# Allegro board gps_interface_boardv51ph.brd

Outline 304.8 x 152.4 mm; copper layers: TOP, 2116 HR PREGPREG 1, 2116 HR PREGPREG 2, 2116 HR PREGPREG 3, GND1, FR4 CORE 0.3 35/35 1, SIG, 2116 HR PREGPREG 4, 2116 HR PREGPREG 5, 2116 HR PREGPREG 6, GND2, FR4 CORE 0.3 35/35 2, PWR1, 2116 HR PREGPREG 7, 2116 HR PREGPREG 8, 2116 HR PREGPREG 9, PWR2, FR4 CORE 0.3 35/35 3, GND3, 2116 HR PREGPREG 10, 2116 HR PREGPREG 11, 2116 HR PREGPREG 12, BOTTOM. Coordinates in mm from the lower left corner of the outline.
Outline path: 0,152.4 304.8,152.4 304.8,0 0,0 0,152.4

## Design rules (mm)
constraint set DEFAULT: min track width 0.17, pair gap 0.3
net group ACLK_TO_CDR: nets ACLK_TO_CDR_N ACLK_TO_CDR_P
net group CLK_FDBACK: nets CLK_FDBACK_N CLK_FDBACK_P
net group CLK_FDBACK_OUT: nets N91101 N91105
net group CLK_FROM_FPGA: nets CLK_FROM_FPGA_N CLK_FROM_FPGA_P
net group CLK_SCOPE_CAP: nets N180853 N180901
net group CLK_SCOPE_OUT: nets N179430 N179442
net group CLK_TO_SFP.CLK_TO_SFP0: nets CLK_TO_SFP.CLK_TO_SFP_N0 CLK_TO_SFP.CLK_TO_SFP_P0
net group CLK_TO_SFP.CLK_TO_SFP1: nets CLK_TO_SFP.CLK_TO_SFP_N1 CLK_TO_SFP.CLK_TO_SFP_P1
net group CLK_TO_SFP.CLK_TO_SFP2: nets CLK_TO_SFP.CLK_TO_SFP_N2 CLK_TO_SFP.CLK_TO_SFP_P2
net group CLK_TO_SFP.CLK_TO_SFP3: nets CLK_TO_SFP.CLK_TO_SFP_N3 CLK_TO_SFP.CLK_TO_SFP_P3
net group CLK_TO_SFP.CLK_TO_SFP4: nets CLK_TO_SFP.CLK_TO_SFP_N4 CLK_TO_SFP.CLK_TO_SFP_P4
net group CLK_TO_SFP.CLK_TO_SFP5: nets CLK_TO_SFP.CLK_TO_SFP_N5 CLK_TO_SFP.CLK_TO_SFP_P5
net group CML_SFP_TD_SFP INTERFACE_SFP1: nets CML_SFP_TD_N_SFP INTERFACE_SFP1 CML_SFP_TD_P_SFP INTERFACE_SFP1
net group CML_SFP_TD_SFP INTERFACE_SFP2: nets CML_SFP_TD_N_SFP INTERFACE_SFP2 CML_SFP_TD_P_SFP INTERFACE_SFP2
net group CML_SFP_TD_SFP INTERFACE_SFP3: nets CML_SFP_TD_N_SFP INTERFACE_SFP3 CML_SFP_TD_P_SFP INTERFACE_SFP3
net group CML_SFP_TD_SFP INTERFACE_SFP4: nets CML_SFP_TD_N_SFP INTERFACE_SFP4 CML_SFP_TD_P_SFP INTERFACE_SFP4
net group CML_SFP_TD_SFP INTERFACE_SFP5: nets CML_SFP_TD_N_SFP INTERFACE_SFP5 CML_SFP_TD_P_SFP INTERFACE_SFP5
net group CML_SFP_TD_SFP INTERFACE_SFP6: nets CML_SFP_TD_N_SFP INTERFACE_SFP6 CML_SFP_TD_P_SFP INTERFACE_SFP6
net group FMC.ACLK_FROM_SFP: nets FMC.ACLK_FROM_SFP_N FMC.ACLK_FROM_SFP_P
net group FMC.ACLK_REFCLK: nets FMC.ACLK_REFCLK_N FMC.ACLK_REFCLK_P
net group FMC.ACLK_TO_SFP: nets FMC.ACLK_TO_SFP_N FMC.ACLK_TO_SFP_P
net group FMC.AUXOUT0: nets FMC.AUXOUT0_N FMC.AUXOUT0_P
net group FMC.AUXOUT1: nets FMC.AUXOUT1_N FMC.AUXOUT1_P
net group FMC.AUXOUT2: nets FMC.AUXOUT2_N FMC.AUXOUT2_P
net group FMC.AUXOUT3: nets FMC.AUXOUT3_N FMC.AUXOUT3_P
net group FMC.CLK_FROM_FPGA: nets FMC.CLK_FROM_FPGA_N FMC.CLK_FROM_FPGA_P
net group FMC.GPS_CLK_COPY: nets FMC.GPS_CLK_COPY_N FMC.GPS_CLK_COPY_P
net group FMC.RECOV_ACLK_CLK: nets FMC.RECOV_ACLK_CLK_N FMC.RECOV_ACLK_CLK_P
net group FMC.RECOV_ACLK_DATA: nets FMC.RECOV_ACLK_DATA_N FMC.RECOV_ACLK_DATA_P
net group GPS_CLK10: nets GPS_CLK10_N GPS_CLK10_P
net group GPS_GROUP[0..1]: nets GPS_GROUP.GPS_CLK_N GPS_GROUP.GPS_CLK_P
net group PPS_OUT: nets PPS_OUT_N PPS_OUT_P
net group R_SFP INTERFACE_SFP1: nets R_N_SFP INTERFACE_SFP1 R_P_SFP INTERFACE_SFP1
net group R_SFP INTERFACE_SFP2: nets R_N_SFP INTERFACE_SFP2 R_P_SFP INTERFACE_SFP2
net group R_SFP INTERFACE_SFP3: nets R_N_SFP INTERFACE_SFP3 R_P_SFP INTERFACE_SFP3
net group R_SFP INTERFACE_SFP4: nets R_N_SFP INTERFACE_SFP4 R_P_SFP INTERFACE_SFP4
net group R_SFP INTERFACE_SFP5: nets R_N_SFP INTERFACE_SFP5 R_P_SFP INTERFACE_SFP5
net group R_SFP INTERFACE_SFP6: nets R_N_SFP INTERFACE_SFP6 R_P_SFP INTERFACE_SFP6
net group RECOV_ACLK_CLK: nets RECOV_ACLK_CLK_N RECOV_ACLK_CLK_P
net group SFP_RD: nets SFP_RD_N SFP_RD_P
net group SFP_RD_OP: nets N717829 N717833
net group SFP_TD_SFP INTERFACE_SFP1: nets SFP_TD_N_SFP INTERFACE_SFP1 SFP_TD_P_SFP INTERFACE_SFP1
net group SFP_TD_SFP INTERFACE_SFP2: nets SFP_TD_N_SFP INTERFACE_SFP2 SFP_TD_P_SFP INTERFACE_SFP2
net group SFP_TD_SFP INTERFACE_SFP3: nets SFP_TD_N_SFP INTERFACE_SFP3 SFP_TD_P_SFP INTERFACE_SFP3
net group SFP_TD_SFP INTERFACE_SFP4: nets SFP_TD_N_SFP INTERFACE_SFP4 SFP_TD_P_SFP INTERFACE_SFP4
net group SFP_TD_SFP INTERFACE_SFP5: nets SFP_TD_N_SFP INTERFACE_SFP5 SFP_TD_P_SFP INTERFACE_SFP5
net group SFP_TD_SFP INTERFACE_SFP6: nets SFP_TD_N_SFP INTERFACE_SFP6 SFP_TD_P_SFP INTERFACE_SFP6
net group SYNC_OUT: nets SYNC_OUT_N SYNC_OUT_P
net group FMC[0..110]: nets FMC.ACLK_SFP_SCL FMC.ACLK_SFP_SDA FMC.ACLK_SFP_TX_DIS FMC.CLK_FILTER_A FMC.CLK_FILTER_B FMC.CLK_GEN_INTR* FMC.CLK_GEN_LOL* FMC.CLK_GEN_RST* FMC.CLK_TO_FPGA_N FMC.CLK_TO_FPGA_P FMC.DATA_TO_FF_N0 FMC.DATA_TO_FF_N1 FMC.DATA_TO_FF_N2 FMC.DATA_TO_FF_N3 FMC.DATA_TO_FF_N4 FMC.DATA_TO_FF_N5 FMC.DATA_TO_FF_P0 FMC.DATA_TO_FF_P1 FMC.DATA_TO_FF_P2 FMC.DATA_TO_FF_P3 FMC.DATA_TO_FF_P4 FMC.DATA_TO_FF_P5 FMC.FPGA_CLK_FILTER_A FMC.FPGA_CLK_FILTER_B FMC.FPGA_CLK_GEN_INTR* FMC.FPGA_CLK_GEN_LOL* FMC.FPGA_CLK_GEN_RST* FMC.FPGA_GPS_CLK_EN* FMC.FPGA_I2C_EXT_INT0* FMC.FPGA_I2C_EXT_INT1* FMC.FPGA_I2C_EXT_RST* FMC.FPGA_I2C_SW_RST* FMC.FPGA_IO_VOLTAGE FMC.GPS_CLK_EN* FMC.GPS_IRIGB FMC.GPS_PPS_N FMC.GPS_PPS_P FMC.GPS_SYNC_OUT_N FMC.GPS_SYNC_OUT_P FMC.I2C_EXT_INT0* FMC.I2C_EXT_INT1* FMC.I2C_EXT_RST* FMC.PG_1V8 FMC.PWR_GOOD FMC.RECOV_DATA_N0 FMC.RECOV_DATA_N1 FMC.RECOV_DATA_N2 FMC.RECOV_DATA_N3 FMC.RECOV_DATA_N4 FMC.RECOV_DATA_N5 FMC.RECOV_DATA_P0 FMC.RECOV_DATA_P1 FMC.RECOV_DATA_P2 FMC.RECOV_DATA_P3 FMC.RECOV_DATA_P4 FMC.RECOV_DATA_P5 FMC.SCL0 FMC.SCL1 FMC.SCL2 FMC.SCL3 FMC.SCL4 FMC.SCL5 FMC.SCL6 FMC.SCL_FPGA FMC.SDA0 FMC.SDA1 FMC.SDA2 FMC.SDA3 FMC.SDA4 FMC.SDA5 FMC.SDA6 FMC.SDA_FPGA FMC.SFP_TX_DISABLE0 FMC.SFP_TX_DISABLE1 FMC.SFP_TX_DISABLE2 FMC.SFP_TX_DISABLE3 FMC.SFP_TX_DISABLE4 FMC.SFP_TX_DISABLE5 FMC.SPARE_BNC_0 FMC.SPARE_BNC_1 FMC.SPARE_LEMO_0 FMC.SPARE_LEMO_1 FMC.SPARE_RJ45_0_N FMC.SPARE_RJ45_0_P FMC.SPARE_RJ45_1_N FMC.SPARE_RJ45_1_P FMC.SPARE_RJ45_LED_0 FMC.SPARE_RJ45_LED_1 FMC.TEMP_INTR*
nets with their own width: min track width 0.165; nets 12V_FUSE A0_1 A0_2 A0_2V5 A0_3V3 A0_5V A0_BID A1_1 A1_2 A1_2V5 A1_5V A1_BID A2_BID BNC_DIR FB_3V3_1 FB_3V3_2 FB_5V FB_5V5 FPGA_3V3 FPGA_12V GND_IN GND_POWER GPS_CLK_IN GPS_IRIGB_IN GPS_PPS_IN GPS_SYNC_IN INTVCC_2V5 INTVCC_3V3 INTVCC_5V MOD_ABS_SFP INTERFACE_SFP1 MOD_ABS_SFP INTERFACE_SFP2 MOD_ABS_SFP INTERFACE_SFP3 MOD_ABS_SFP INTERFACE_SFP4 MOD_ABS_SFP INTERFACE_SFP5 MOD_ABS_SFP INTERFACE_SFP6 N00534 N00638 N01590 N04910_SFP INTERFACE_SFP1 N04910_SFP INTERFACE_SFP2 N04910_SFP INTERFACE_SFP3 N04910_SFP INTERFACE_SFP4 N04910_SFP INTERFACE_SFP5 N04910_SFP INTERFACE_SFP6 N04977_SFP INTERFACE_SFP1 N04977_SFP INTERFACE_SFP2 N04977_SFP INTERFACE_SFP3 N04977_SFP INTERFACE_SFP4 N04977_SFP INTERFACE_SFP5 N04977_SFP INTERFACE_SFP6 N89867 N89871 N89889 N89893 N90109 N90113 N90529 N107878 N127138 N136741_SFP INTERFACE_SFP1 N136741_SFP INTERFACE_SFP2 N136741_SFP INTERFACE_SFP3 N136741_SFP INTERFACE_SFP4 N136741_SFP INTERFACE_SFP5 N136741_SFP INTERFACE_SFP6 N140138 N141568_SFP INTERFACE_SFP1 N141568_SFP INTERFACE_SFP2 N141568_SFP INTERFACE_SFP3 N141568_SFP INTERFACE_SFP4 N141568_SFP INTERFACE_SFP5 N141568_SFP INTERFACE_SFP6 N146225 N185241 N210584_SFP INTERFACE_SFP1 N210584_SFP INTERFACE_SFP2 N210584_SFP INTERFACE_SFP3 N210584_SFP INTERFACE_SFP4 N210584_SFP INTERFACE_SFP5 N210584_SFP INTERFACE_SFP6 N224400 N224404 N224432 N224436 N224464 N224468 N224492 N224496 N245271 N245311 N245859 N245899 N246142 N246182 N266416 N266420 N280018 N280022 N339027 N339674 N339693 N350589 N350593 N351209 N351234 N352210 N352214 PG_2V5 PG_3V3 PG_3V5 PG_5V RS_SFP INTERFACE_SFP1 RS_SFP INTERFACE_SFP2 RS_SFP INTERFACE_SFP3 RS_SFP INTERFACE_SFP4 RS_SFP INTERFACE_SFP5 RS_SFP INTERFACE_SFP6 RT_5V5 SPARE_BNC_CONN_0 SPARE_BNC_CONN_1 SPARE_LEMO_CONN_0 SPARE_LEMO_CONN_1 SPARE_RJ45_CM SS_3V3_1 SS_3V3_2 SS_5V VCC3V3 VCC3V3_LFILT VCC5V VCC5V_LFILT VCCR_SFP INTERFACE_SFP1 VCCR_SFP INTERFACE_SFP2 VCCR_SFP INTERFACE_SFP3 VCCR_SFP INTERFACE_SFP4 VCCR_SFP INTERFACE_SFP5 VCCR_SFP INTERFACE_SFP6 VCCT_SFP INTERFACE_SFP1 VCCT_SFP INTERFACE_SFP2 VCCT_SFP INTERFACE_SFP3 VCCT_SFP INTERFACE_SFP4 VCCT_SFP INTERFACE_SFP5 VCCT_SFP INTERFACE_SFP6 VDD_FILT VDDA_FILT VDDO_FILT VP2V5 VP3V3 VP5V VP5V5 VP12V

## Placement (name value [footprint] x y rotation side)
C1  0.01UF  [CAP0402]  86.49 135.64 180 bottom
C3  0.01UF  [CAP0402]  79.35 137.19 180 bottom
C5  0.1UF  [CAP0603]  62.98 134.24 180 bottom
C6  0.1UF  [CAP0603]  62.96 131.29 180 bottom
C7  10UF  [CAP0603]  88.8 129.84 90 bottom
C8  0.1UF  [CAP0603]  83.24 133.02 270 bottom
C9  10UF  [CAP0603]  87.07 133.32 0 bottom
C10  10UF  [CAP0603]  27.77 137.44 90 bottom
C11  0.1UF  [CAP0603]  45.83 134.59 270 bottom
C12  10UF  [CAP0603]  26.22 133.71 180 bottom
C13  10UF  [CAP0603]  95.71 69.27 0 bottom
C14  0.1UF  [CAP0402]  104.65 77.14 90 top
C15  0.1UF  [CAP0402]  103.48 77.14 90 top
C16  10UF  [CAP0603]  95.68 65 180 bottom
C17  1UF  [CAP0603]  8.76 38.18 270 bottom
C18  0.1UF  [CAP0402]  123.49 82.75 180 top
C19  0.1UF  [CAP0402]  118.52 73.36 90 bottom
C20  0.1UF  [CAP0402]  113 86.46 270 bottom
C21  10UF  [CAP0603]  101.4 90.91 90 top
C22  10UF  [CAP0603]  127.33 78.21 180 bottom
C23  0.1UF  [CAP0402]  118.44 86.46 270 bottom
C24  0.1UF  [CAP0402]  121.31 76.15 180 bottom
C25  0.1UF  [CAP0402]  117.02 73.36 90 bottom
C26  0.1UF  [CAP0402]  121.31 79.65 180 bottom
C27  0.1UF  [CAP0402]  113.51 73.36 90 bottom
C28  0.1UF  [CAP0402]  114.53 86.46 270 bottom
C29  10UF  [CAP0603]  127.3 74.07 0 bottom
C34  0.1UF  [CAP0402]  117.25 86.44 90 top
C35  0.1UF  [CAP0402]  118.36 86.44 90 top
C36  0.1UF  [CAP0402]  112.85 88.06 270 top
C37  0.1UF  [CAP0402]  111.79 88.06 270 top
C38  0.1UF  [CAP0402]  110.72 88.06 270 top
C39  0.1UF  [CAP0402]  109.65 88.06 270 top
C40  10UF  [CAP0805]  30.63 32.08 180 top
C41  1UF  [CAP0603]  30.66 22.58 180 top
C42  1UF  [CAP0603]  12.85 38.86 0 top
C43  0.47UF  [CAP0603]  12.85 50.39 0 top
C44  0.47UF  [CAP0603]  12.83 40.49 0 top
C49  47UF  [CAP0805]  21.29 51.74 180 top
C50  47UF  [CAP0805]  21.34 39.34 180 top
C51  5.0PF  [CAP0603]  3.38 44.09 90 bottom
C52  47UF  [CAP0805]  8.97 65.18 270 top
C53  0.1UF  [CAP0603]  11.56 65.23 270 top
C54  0.1UF  [CAP0603]  14.17 65.2 270 top
C55  47UF  [CAP0805]  16.69 65.23 270 top
C56  0.1UF  [CAP0603]  16.92 69.47 90 top
C57  0.01UF  [CAP0603]  8.69 72.31 90 top
C58  0.1UF  [CAP0603]  25.65 64.85 180 bottom
C59  0.1UF  [CAP0603]  22.61 61.57 270 bottom
C60  0.1UF  [CAP0603]  42.98 78 270 top
C61  47UF  [CAP0805]  40.39 77.95 270 top
C62  0.1UF  [CAP0603]  45.59 77.98 270 top
C63  47UF  [CAP0805]  48.11 78 270 top
C64  0.1UF  [CAP0603]  48.34 82.25 90 top
C65  0.01UF  [CAP0603]  40.11 85.09 90 top
C66  100UF  [CAP1210]  58.62 83.9 270 top
C67  100UF  [CAP1210]  58.62 92.86 90 top
C69  0.1UF  [CAP0603]  58.72 77.6 0 bottom
C70  47UF  [CAP0805]  40.36 92.81 270 top
C71  0.1UF  [CAP0603]  42.95 92.86 270 top
C72  0.1UF  [CAP0603]  45.57 92.84 270 top
C73  47UF  [CAP0805]  48.08 92.86 270 top
C74  0.1UF  [CAP0603]  64.06 77.62 0 bottom
C75  0.1UF  [CAP0603]  48.31 97.1 90 top
C76  0.01UF  [CAP0603]  40.08 99.95 90 top
C77  47UF  [CAP0805]  40.41 59.94 270 top
C78  0.1UF  [CAP0603]  43 59.99 270 top
C79  0.1UF  [CAP0603]  45.62 59.97 270 top
C80  47UF  [CAP0805]  48.13 59.99 270 top
C81  100UF  [CAP1210]  62.41 66.95 90 top
C82  100UF  [CAP1210]  56.52 66.98 90 top
C83  0.1UF  [CAP0603]  48.36 64.24 90 top
C84  0.1UF  [CAP0603]  56.85 58.6 180 bottom
C85  0.01UF  [CAP0603]  40.13 67.08 90 top
C86  0.1UF  [CAP0603]  54.05 56.34 270 bottom
C87  1UF  [CAP0603]  43.99 28.78 0 top
C88  22UF  [CAP1206]  17.5 21.95 270 top
C97  0.1UF  [CAP0805]  126.09 20.65 0 bottom
C98  47UF  [CAP1206]  119.48 17.37 180 bottom
C99  47UF  [CAP1206]  119.48 20.65 180 bottom
C100  0.1UF  [CAP0805]  135.25 8.74 0 top
C101  0.1UF  [CAP0805]  130.25 8.69 180 top
C102  47UF  [CAP1206]  76.89 16.84 180 bottom
C103  47UF  [CAP1206]  76.89 9.27 180 bottom
C104  47UF  [CAP1206]  76.89 12.7 180 bottom
C105  0.1UF  [CAP0805]  128.07 19.35 180 top
C106  47UF  [CAP1206]  127.56 25.83 180 top
C107  47UF  [CAP1206]  127.56 22.33 180 top
C108  0.1UF  [CAP0402]  79.35 15.16 90 top
C109  0.1UF  [CAP0402]  115.72 36.42 180 top
C110  0.1UF  [CAP0402]  103.33 26.82 0 top
C111  0.1UF  [CAP0402]  115.72 27.43 0 top
C112  0.1UF  [CAP0402]  103.38 36.68 180 top
C113  0.1UF  [CAP0402]  98.4 116.33 90 top
C115  0.1UF  [CAP0603]  281.15 27.25 180 top
C116  0.1UF  [CAP0603]  278.26 13.26 90 bottom
C117  0.1UF  [CAP0603]  280.77 13.26 90 bottom
C119  0.1UF  [CAP0603]  288.16 27.33 180 top
C123  0.1UF  [CAP0603]  263.65 18.39 270 bottom
C127  4.7UF  [CAP0402]  238.1 18.47 270 bottom
C128  0.1UF  [CAP0402]  239.67 18.49 270 bottom
C129  0.1UF  [CAP0402]  236.45 18.47 270 bottom
C132  0.1UF  [CAP0603]  292.18 100.66 180 bottom
C133  0.1UF  [CAP0603]  277.88 100.53 0 bottom
C134  22UF  [CAP0805]  277.93 103.25 0 bottom
C135  0.1UF  [CAP0603]  282.93 116.94 0 bottom
C136  0.1UF  [CAP0603]  286.51 116.97 180 bottom
C137  22UF  [CAP0805]  292.05 103.43 180 bottom
C138  0.1UF  [CAP0603]  211.56 89.84 0 top
C139  1000PF  [CAP0603]  211.56 88.37 0 top
C140  0.1UF  [CAP0402]  288.19 84.28 0 top
C141  0.1UF  [CAP0402]  288.19 83.19 0 top
C155  0.1UF  [CAP0603]  255.8 100.63 0 bottom
C156  0.1UF  [CAP0603]  270.1 100.76 180 bottom
C157  22UF  [CAP0805]  255.85 103.35 0 bottom
C158  0.1UF  [CAP0603]  260.86 116.94 0 bottom
C159  0.1UF  [CAP0603]  264.44 116.97 180 bottom
C160  22UF  [CAP0805]  269.98 103.53 180 bottom
C161  0.1UF  [CAP0603]  240.77 89.84 0 top
C162  1000PF  [CAP0603]  240.77 88.37 0 top
C163  0.1UF  [CAP0402]  266.12 84.38 0 top
C164  0.1UF  [CAP0402]  266.12 83.29 0 top
C178  0.1UF  [CAP0603]  233.5 100.63 0 bottom
C179  0.1UF  [CAP0603]  247.8 100.76 180 bottom
C180  22UF  [CAP0805]  233.55 103.35 0 bottom
C181  0.1UF  [CAP0603]  238.56 116.94 0 bottom
C182  0.1UF  [CAP0603]  242.14 116.97 180 bottom
C183  22UF  [CAP0805]  247.68 103.53 180 bottom
C184  0.1UF  [CAP0603]  263.07 89.84 0 top
C185  1000PF  [CAP0603]  263.07 88.37 0 top
C186  0.1UF  [CAP0402]  243.81 84.38 0 top
C187  0.1UF  [CAP0402]  243.81 83.29 0 top
C201  0.1UF  [CAP0603]  218.59 100.76 180 bottom
C202  0.1UF  [CAP0603]  204.29 100.63 0 bottom
C203  22UF  [CAP0805]  204.34 103.35 0 bottom
C204  0.1UF  [CAP0603]  209.35 116.94 0 bottom
C205  0.1UF  [CAP0603]  212.93 116.97 180 bottom
C206  22UF  [CAP0805]  218.47 103.53 180 bottom
C207  0.1UF  [CAP0603]  285.14 89.74 0 top
C208  1000PF  [CAP0603]  285.14 88.27 0 top
C209  0.1UF  [CAP0402]  214.6 84.38 0 top
C210  0.1UF  [CAP0402]  214.6 83.29 0 top
C224  0.1UF  [CAP0603]  181.99 100.63 0 bottom
C225  0.1UF  [CAP0603]  196.29 100.76 180 bottom
C226  22UF  [CAP0805]  182.04 103.35 0 bottom
C227  0.1UF  [CAP0603]  186.97 116.94 0 bottom
C228  0.1UF  [CAP0603]  190.63 116.94 180 bottom
C229  22UF  [CAP0805]  196.16 103.53 180 bottom
C230  0.1UF  [CAP0603]  189.26 89.84 0 top
C231  1000PF  [CAP0603]  189.26 88.37 0 top
C232  0.1UF  [CAP0402]  192.3 84.38 0 top
C233  0.1UF  [CAP0402]  192.3 83.29 0 top
C247  0.1UF  [CAP0603]  159.87 100.63 0 bottom
C248  0.1UF  [CAP0603]  174.17 100.76 180 bottom
C249  22UF  [CAP0805]  159.92 103.35 0 bottom
C250  0.1UF  [CAP0603]  164.82 116.94 0 bottom
C251  0.1UF  [CAP0603]  168.58 116.97 180 bottom
C252  22UF  [CAP0805]  174.04 103.53 180 bottom
C253  0.1UF  [CAP0603]  167.13 89.84 0 top
C254  1000PF  [CAP0603]  167.13 88.37 0 top
C255  0.1UF  [CAP0402]  170.18 84.38 0 top
C256  0.1UF  [CAP0402]  170.18 83.29 0 top
C270  0.1UF  [CAP0603]  215.92 9.5 90 top
C271  0.1UF  [CAP0603]  199.69 9.3 90 top
C272  0.1UF  [CAP0402]  22.5 90.42 180 top
C274  4.7UF  [CAP0603]  94.39 92.46 90.3 top
C275  4.7UF  [CAP0603]  103.07 90.91 90 top
C276  0.1UF  [CAP0402]  102.36 81.74 0 top
C277  0.1UF  [CAP0402]  102.36 80.59 0 top
C2650  47UF  [CAP0805]  40.41 41.94 270 top
C2660  0.1UF  [CAP0603]  43 41.99 270 top
C2670  0.1UF  [CAP0603]  45.62 41.96 270 top
C2680  47UF  [CAP0805]  48.13 41.99 270 top
C2690  0.1UF  [CAP0603]  48.36 46.23 90 top
C2710  0.01UF  [CAP0603]  40.13 49.07 90 top
C2711  0.1UF  [CAP0402]  16.61 40.31 180 top
C2712  0.1UF  [CAP0603]  130.63 100.63 0 bottom
C2713  0.1UF  [CAP0603]  144.93 100.76 180 bottom
C2714  0.1UF  [CAP0603]  135.59 116.94 0 bottom
C2717  22UF  [CAP0805]  130.68 103.35 0 bottom
C2718  0.1UF  [CAP0603]  139.34 116.97 180 bottom
C2719  22UF  [CAP0805]  144.81 103.53 180 bottom
C2722  0.1UF  [CAP0603]  144.4 73.86 270 top
C2723  0.1UF  [CAP0603]  141.05 65.07 180 top
C2724  0.1UF  [CAP0603]  135.03 65.07 0 top
C2725  0.1UF  [CAP0603]  130.05 70.28 90 top
C2726  0.1UF  [CAP0603]  145.95 73.86 270 top
C2727  1000PF  [CAP0603]  141.33 73.86 90 top
C2728  1000PF  [CAP0603]  141.05 66.57 0 top
C2729  1000PF  [CAP0603]  135.03 66.57 180 top
C2730  1000PF  [CAP0603]  131.55 70.28 270 top
C2731  1000PF  [CAP0603]  142.85 73.86 90 top
C2732  0.47UF  [CAP0402]  133.48 69.44 270 top
C2733  0.1UF  [CAP0402]  132.77 72.9 270 top
C2734  0.1UF  [CAP0402]  138.63 74.7 90 top
C2735  0.1UF  [CAP0402]  103.89 74.04 0 top
C2736  0.1UF  [CAP0402]  103.89 72.9 0 top
C2737  0.1UF  [CAP0402]  104.65 86.49 0 top
C2738  0.1UF  [CAP0402]  104.65 85.34 0 top
C2739  0.1UF  [CAP0603]  142.49 93.6 270 top
C2740  0.1UF  [CAP0603]  142.49 89.41 90 top
C2741  0.1UF  [CAP0603]  133.63 93.6 270 top
C2742  0.1UF  [CAP0603]  133.63 89.38 90 top
C2743  1000PF  [CAP0603]  140.97 93.6 90 top
C2744  1000PF  [CAP0603]  140.97 89.41 270 top
C2745  1000PF  [CAP0603]  135.13 93.6 90 top
C2746  1000PF  [CAP0603]  135.13 89.41 270 top
C2747  1000PF  [CAP0603]  136.8 82.93 270 bottom
C2748  1000PF  [CAP0603]  138.28 82.93 270 bottom
C2749  1000PF  [CAP0603]  188.67 17.27 0 top
C2750  0.1UF  [CAP0603]  188.67 15.62 0 top
C3712  1UF  [CAP0603]  4.06 126.36 270 bottom
C3713  1UF  [CAP0603]  11.2 9.14 270 bottom
C3714  1UF  [CAP0603]  9.68 9.14 270 bottom
C3715  1UF  [CAP0603]  2.54 126.36 270 bottom
D1  RED  [LEDC1608X80N]  104.67 68.5 0 top
D2  GREEN  [LEDC1608X80N]  104.67 70.82 0 top
D4  GREEN  [LEDC1608X80N]  11.51 33.05 180 top
D5  GREEN  [LEDC1608X80N]  19.41 76.12 0 top
D6  GREEN  [LEDC1608X80N]  50.8 103.66 0 top
D7  GREEN  [LEDC1608X80N]  50.72 70.18 0 top
D8  GREEN  [LEDC1608X80N]  102.39 97.36 180 top
D14  GREEN  [LEDC1608X80N]  84.91 15.24 0 top
D15  RED  [LEDC1608X80N]  89.66 15.21 0 top
D16  GREEN  [LEDC1608X80N]  279.04 74.98 90 top
D17  RED  [LEDC1608X80N]  279.88 107.06 90 top
D20  GREEN  [LEDC1608X80N]  256.97 75.08 90 top
D21  RED  [LEDC1608X80N]  257.81 107.06 90 top
D24  GREEN  [LEDC1608X80N]  238.81 76.33 90 top
D25  RED  [LEDC1608X80N]  235.51 107.06 90 top
D28  GREEN  [LEDC1608X80N]  209.6 76.33 90 top
D29  RED  [LEDC1608X80N]  206.27 107.06 90 top
D32  GREEN  [LEDC1608X80N]  187.3 76.33 90 top
D33  RED  [LEDC1608X80N]  183.97 107.06 90 top
D36  GREEN  [LEDC1608X80N]  165.18 76.33 90 top
D37  RED  [LEDC1608X80N]  161.85 107.06 90 top
D40  GREEN  [LEDC1608X80N]  113.18 124.94 0 top
D41  RED  [LEDC1608X80N]  113.18 122.86 0 top
D42  GREEN  [LEDC1608X80N]  126.47 99.54 90 top
D43  RED  [LEDC1608X80N]  132.61 107.06 90 top
F1  4A  [CAP1206]  56.41 13.67 90 top
F2  0.75A  [CAP1206]  18.57 2.95 180 top
FL1  120 Ohm@100MHz  [FIL_DLW5BTM501SQ2L]  30.63 27.23 270 top
IC1  SN74LVC2T45DCU  [SOP50P310X90-8N]  283.08 24.31 90 top
IC2  SN74LVC2T45DCU  [SOP50P310X90-8N]  290.09 24.28 90 top
J1  BNC/R  [TE_1-1634612-0]  92.71 140.03 90 top
J4  BNC/R  [TE_1-1634612-0]  67.31 140.03 90 top
J5  BNC/R  [TE_1-1634612-0]  16.51 140.03 90 top
J6  BNC/R  [TE_1-1634612-0]  41.91 140.03 90 top
J8  ASP-134606-01  [SAMTEC_ASP-134606-01]  152.4 10.16 0 bottom
J11  HDR1x2  [HDR1X2]  273.61 19.43 0 top
J12  HDR1x2  [HDR1X2]  273.61 24.38 0 top
J13  0744410010  [TE_2227023-1]  284.68 116.23 270 top
J14  0744410010  [TE_2227023-1]  262.61 116.18 270 top
J15  HDR1x2  [HDR1X2]  299.29 19.43 180 top
J16  HDR1x2  [HDR1X2]  299.31 24.38 180 top
J17  6-2301994-2  [TE_6-2301994-2]  250.8 9.53 0 top
J18  0744410010  [TE_2227023-1]  240.31 116.18 270 top
J19  0744410010  [TE_2227023-1]  211.07 116.18 270 top
J20  0744410010  [TE_2227023-1]  188.77 116.18 270 top
J21  0744410010  [TE_2227023-1]  166.65 116.18 270 top
J27  0022232031  [22-23-2031]  6.35 127.69 270 top
J28  0022232031  [22-23-2031]  13.67 10.34 270 top
J29  0022232031  [22-23-2031]  268.81 6.35 0 top
J30  0744410010  [TE_2227023-1]  137.41 116.18 270 top
J100  U.FL-R-SMT_10_  [UFLRSMT10]  115.03 99.72 90 top
J101  U.FL-R-SMT_10_  [UFLRSMT10]  121.22 99.72 270 top
J300  172448-0004  [172448-YY04]  35.81 13.92 0 top
L1  120 Ohm@100MHz  [CAP0805]  86.21 129.54 90 bottom
L2  120 Ohm@100MHz  [CAP0805]  25.36 137.29 270 bottom
L3  120 Ohm@100MHz  [CAP0805]  95.55 67.11 0 bottom
L5  120 Ohm@100MHz  [CAP0805]  127.43 76.12 180 bottom
L6  3.3 uH  [WE-LHMI_8040]  20.78 45.54 0 top
L7  4.7 uH  [CAP1210]  277.95 101.83 0 top
L8  4.7 uH  [CAP1210]  292 101.98 180 top
L9  4.7 uH  [CAP1210]  255.88 101.93 0 top
L10  4.7 uH  [CAP1210]  269.93 102.08 180 top
L11  4.7 uH  [CAP1210]  233.58 101.93 0 top
L12  4.7 uH  [CAP1210]  247.62 102.08 180 top
L13  4.7 uH  [CAP1210]  204.37 101.93 0 top
L14  4.7 uH  [CAP1210]  218.41 102.08 180 top
L15  4.7 uH  [CAP1210]  182.07 101.93 0 top
L16  4.7 uH  [CAP1210]  196.11 102.08 180 top
L17  4.7 uH  [CAP1210]  159.94 101.93 0 top
L18  4.7 uH  [CAP1210]  173.99 102.08 180 top
L19  120 Ohm@100MHz  [CAP0805]  90.5 88.52 90 top
L20  4.7 uH  [CAP1210]  130.71 101.93 0 top
L21  4.7 uH  [CAP1210]  144.75 102.08 180 top
L22  120 Ohm@100MHz  [CAP0805]  186.94 13.72 180 top
NOREF  -  []  -106.85 7.68 0 top
NOREF#2  -  []  0 152.4 0 top
NOREF#3  -  []  0 0 0 top
NOREF#4  -  []  -120.76 68.7 0 top
NOREF#5  -  []  0 0 0 top
NOREF#6  -  []  0 0 0 top
NOREF#7  -  []  -106.44 -2.34 0 top
NOREF#8  -  []  0 0 0 top
NOREF#9  -  []  0 0 0 top
NOREF#10  -  []  0 0 90 top
NOREF#11  -  []  0 0 0 top
NOREF#12  -  []  0 0 90 top
NOREF#13  -  []  0 0 90 top
NOREF#14  -  []  0 0 0 top
P1  RECP6X2  [RECPT6X2_100]  290.93 9.17 270 top
P2  RECP10X2  [RECEPT_10X2_100MIL]  277.85 54.28 270 top
Q1  BSS138K  [SOT95P230X110-3N]  101.9 63.12 180 bottom
Q3  BSS138K  [SOT95P230X110-3N]  6.12 29.69 180 bottom
Q4  BSS138K  [SOT95P230X110-3N]  24.82 75.18 0 bottom
Q5  BSS138K  [SOT95P230X110-3N]  56.06 102.72 0 bottom
Q6  BSS138K  [SOT95P230X110-3N]  56.26 69.22 0 bottom
Q7  BSS138K  [SOT95P230X110-3N]  96.06 98.32 180 bottom
Q10  BSS138K  [SOT95P230X110-3N]  235.56 5.51 180 top
Q11  BSS138K  [SOT95P230X110-3N]  84.89 9.86 270 top
Q12  BSS138K  [SOT95P230X110-3N]  89.79 9.88 270 top
Q14  BSS138K  [SOT95P230X110-3N]  264.34 13.56 0 top
R1  1k  [RES0402]  82.78 129.72 0 top
R2  24.9 Ohm  [RES0603]  90.93 137.59 180 bottom
R4  24.9 Ohm  [RES0603]  86.23 137.59 180 bottom
R9  0 Ohm  [RES0603]  76.17 131.85 90 top
R10  1k  [RES0402]  60.24 131.72 90 top
R11  133  [RES0603]  17.38 127.25 270 top
R12  133  [RES0603]  16.01 127.25 270 top
R13  68  [RES0603]  19.9 126.44 0 top
R14  68  [RES0603]  13.55 126.44 180 top
R15  133  [RES0603]  42.91 127.25 270 top
R16  133  [RES0603]  41.49 127.25 270 top
R17  68  [RES0603]  45.32 126.49 0 top
R18  68  [RES0603]  39.02 126.49 180 top
R19  1k  [RES0402]  120.62 84.53 270 top
R20  1k  [RES0402]  106.43 82.07 0 top
R21  1k  [RES0402]  115.24 73.53 90 top
R22  1k  [RES0402]  106.43 83.11 0 top
R23  1k  [RES0402]  104.37 78.97 0 top
R24  1k  [RES0402]  120.95 79.2 180 top
R25  1k  [RES0402]  110.49 73.48 90 top
R26  1k  [RES0402]  112.01 73.48 90 top
R31  100  [RES0402]  112.24 86.33 180 top
R32  75 Ohm  [RES0603]  105.94 67.06 180 bottom
R33  1k  [RES0603]  101.45 67.06 180 bottom
R34  75 Ohm  [RES0603]  101.45 69.37 180 bottom
R35  100  [RES0402]  110.26 86.33 180 top
R36  390 kOhm  [RES0603]  5.16 47.62 90 bottom
R37  75 Ohm  [RES0805]  102.26 99.06 180 bottom
R38  4.99K  [RES0603]  96.47 101.32 180 bottom
R39  75 Ohm  [RES0805]  264.06 17.14 180 top
R40  4.99K  [RES0603]  6.55 33.15 180 bottom
R41  1M  [RES0603]  5.18 43.99 90 bottom
R42  17.8k  [RES0603]  8.81 50.62 90 top
R43  75 Ohm  [RES0805]  235.74 9.86 0 top
R44  75 Ohm  [RES0805]  13.26 31.37 0 top
R45  0.005  [RES0805]  21.01 69.77 0 top
R46  12.1K  [RES0603]  15.7 73.38 0 bottom
R47  2.32k  [RES0603]  15.67 75.16 180 bottom
R48  0  [RES0402]  22.61 62.59 270 top
R49  0  [RES0402]  22.61 60.53 90 top
R50  4.99K  [RES0603]  24.38 71.93 0 bottom
R51  75 Ohm  [RES0805]  24.56 78.51 0 bottom
R52  0.0055  [RES0805]  52.37 82.35 0 top
R53  0.02  [RES0805]  56.31 88.52 0 top
R54  0.0055  [RES0805]  52.4 95.71 180 top
R55  DNP  [RES0402]  64.06 77.65 0 top
R56  4.99K  [RES0603]  55.63 99.52 0 bottom
R57  75 Ohm  [RES0805]  50.04 108.1 90 top
R58  0.02  [RES0805]  65.81 61.19 180 top
R59  0  [RES0402]  54.05 57.35 270 top
R60  0  [RES0402]  54.05 55.19 90 top
R61  4.99K  [RES0603]  55.88 66.07 0 bottom
R62  75 Ohm  [RES0805]  55.93 72.95 0 bottom
R63  0  [RES0402]  45.75 86.59 90 bottom
R64  0  [RES0402]  42.75 86.59 90 bottom
R65  0  [RES0402]  40.08 83.57 180 bottom
R70  0  [RES0402]  48.34 83.54 0 bottom
R71  0 Ohm  [RES0603]  67.79 8.99 0 top
R72  0 Ohm  [RES0603]  67.79 12.6 0 top
R73  0 Ohm  [RES0603]  67.77 15.93 0 top
R74  75 Ohm  [RES0805]  85.06 16.92 0 bottom
R75  DNP  [RES0603]  67.79 7.59 180 top
R76  DNP  [RES0603]  67.79 11.18 180 top
R77  DNP  [RES0603]  67.77 14.5 180 top
R78  97.6k  [RES0402]  86.44 4.42 270 top
R79  20k  [RES0402]  84.84 4.45 90 top
R80  75 Ohm  [RES0805]  89.79 16.84 0 bottom
R81  1k  [RES0402]  111.79 30.43 0 bottom
R82  1k  [RES0402]  107.29 29.92 180 bottom
R83  4.7K  [RES0603]  88.72 121.08 270 bottom
R84  4.7K  [RES0603]  73.51 121.08 270 bottom
R85  4.7K  [RES0603]  87.25 121.08 270 bottom